# KiCad board AMC_FMC_Carrier-PcbDoc.kicad_pcb (continued)
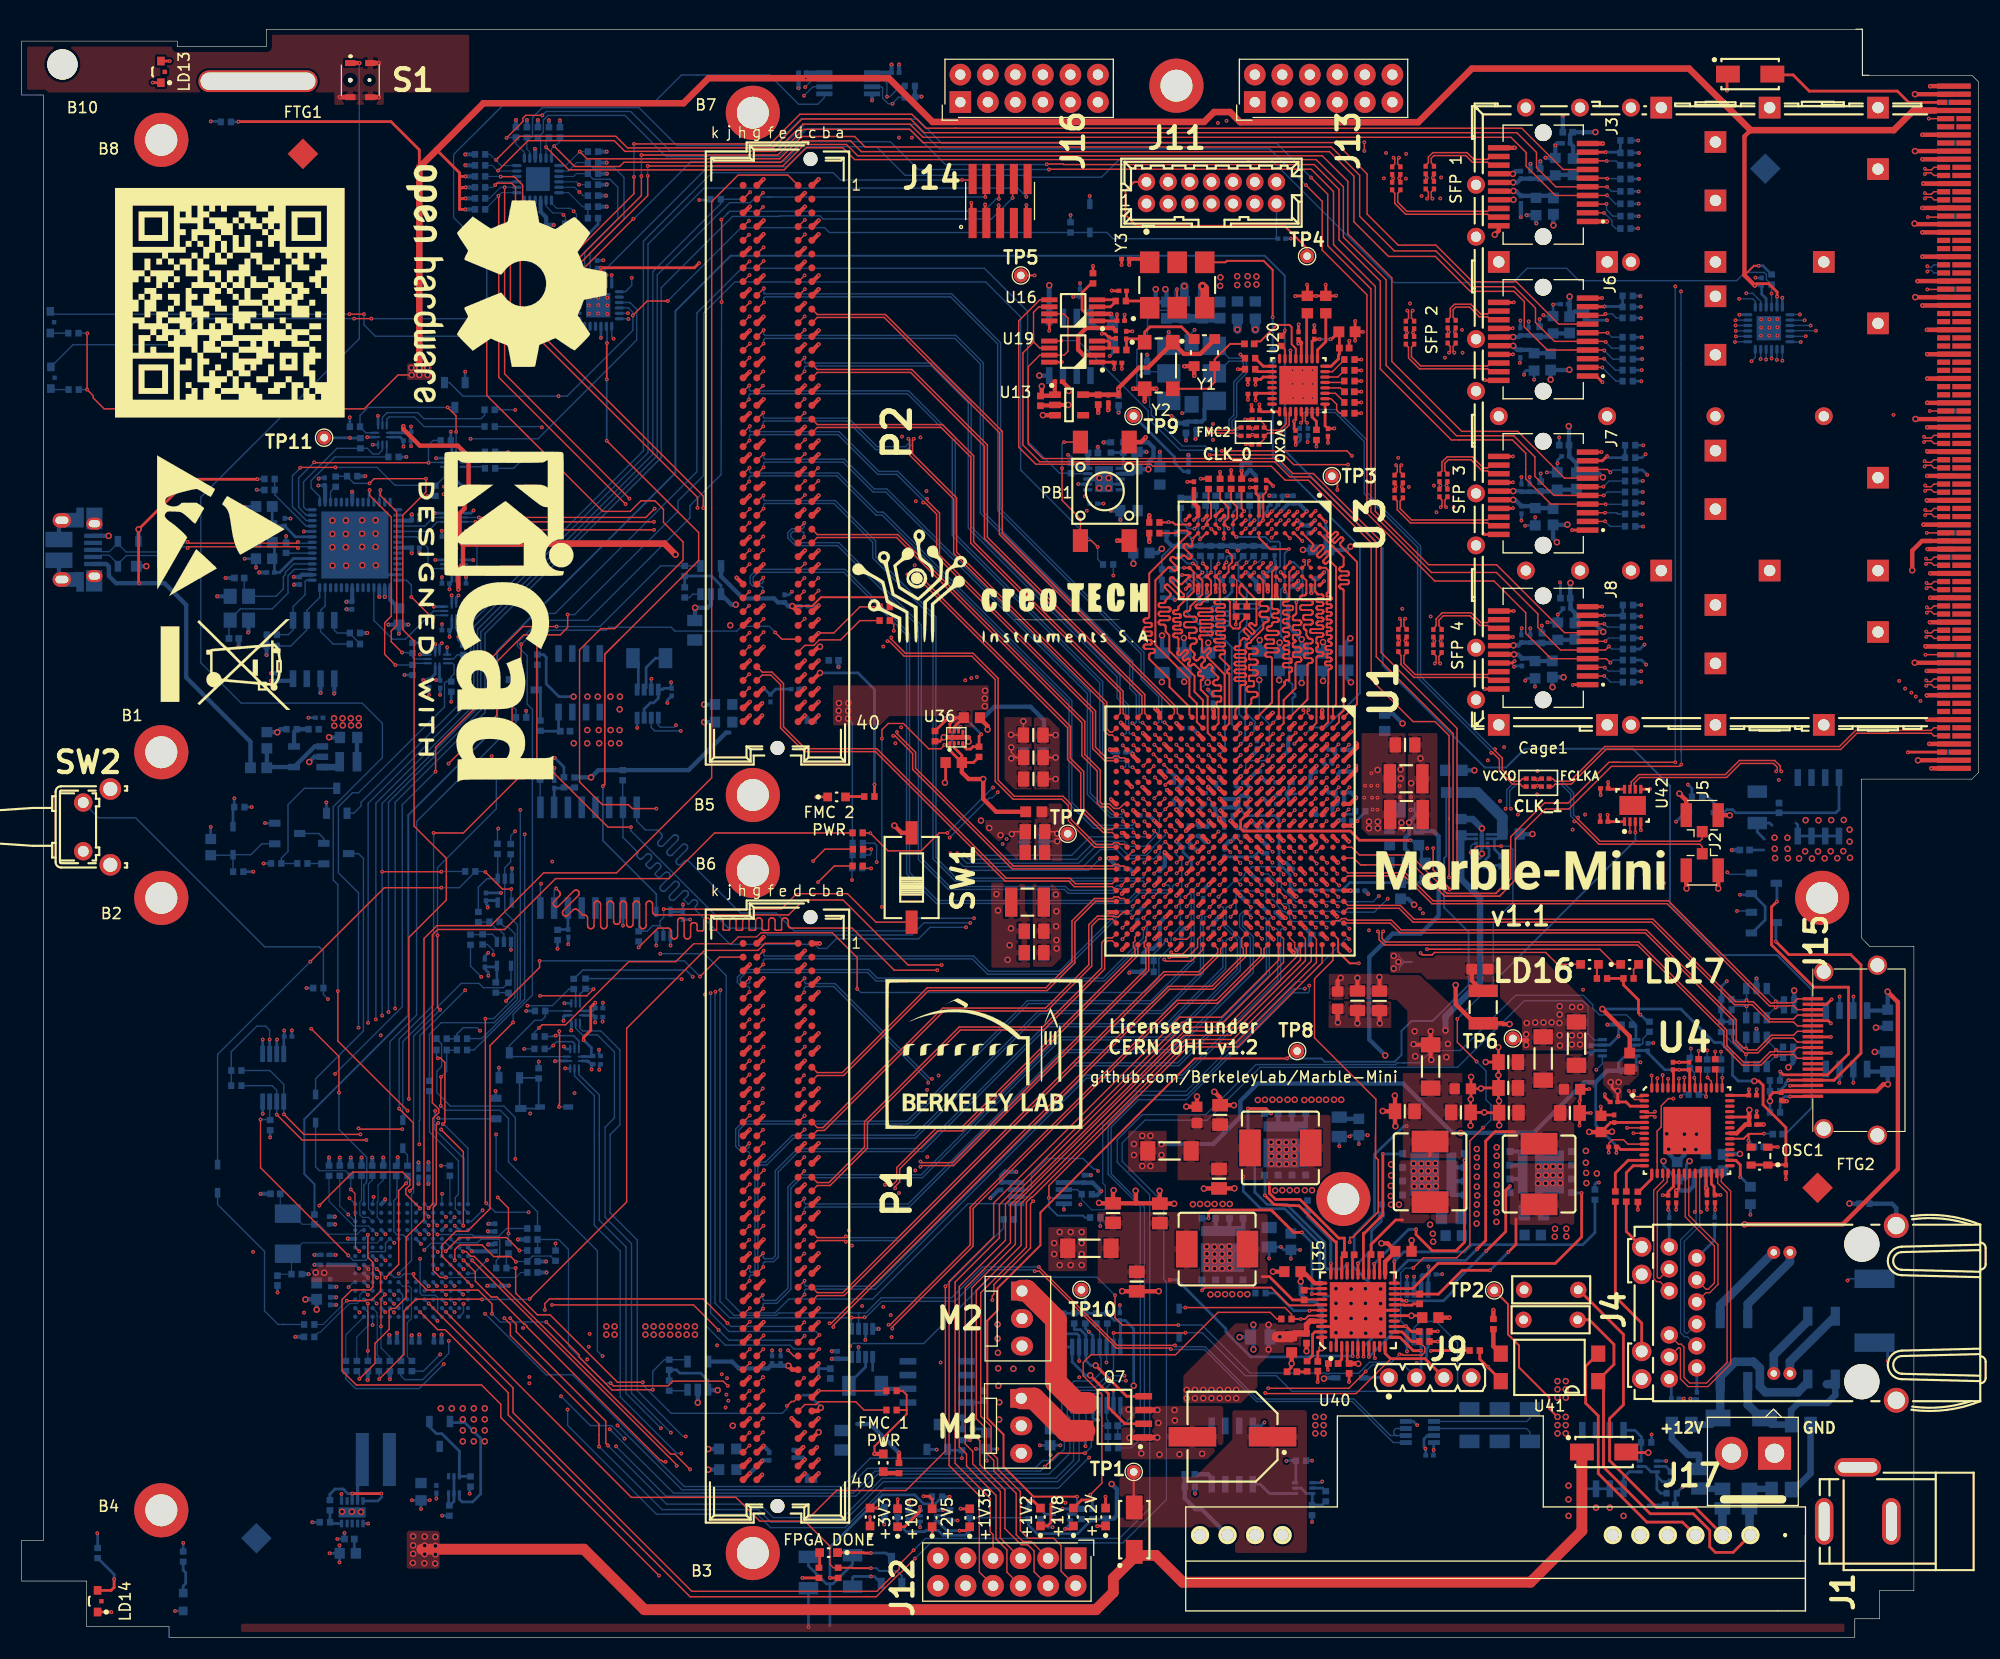
[diagram p0: board, top side]
## Routing (per net, layer and track width the routed paths; a pad name or vN(x,y) marks a point on that pad's centre or on a via; arc(x,y) is an arc through that point) (continued)
VCCAUX: length 11.5
  Top w0.127: C235.1 95.4,74.4 v2(95.58,74.22) 95.59,74.21 TP7.1 96.04,74.21
  Top w0.381: U1.H12 v1(115.44,73.56) ; v1(113.5,73.56) 113.44,73.56 U1.K12 ; U1.M12 v1(110.58,73.51) ; v1(109.55,73.47) 109.52,73.47 U1.P12 ; U1.R11 108.03,74.98
  Top w0.4: v1(107.46,74.48) 107.95,74.96 U1.R11
  Bottom w0.178: v2(95.58,73.52) 95.58,73.52 C233.1
  Bottom w0.381: v1(110.58,73.51) 111,73.93 C231.1 ; v1(113.5,73.56) 113.08,73.98 C226.1 ; C223.1 115.01,73.98 v1(115.44,73.56) ; v1(109.55,73.47) 109.52,73.44 109.29,73.44
  Bottom w0.4: 107.74,74.75 107.59,74.6 ; 107.74,74.75 v1(107.46,74.48) ; 107.74,74.75 C229.1 ; 109.29,73.44 109.25,73.44 108.69,74 C227.1
VCCBRAM: length 11.3
  Top w0.381: U1.J11 114.03,74.99 v1(114.45,75.41) ; v1(109.56,75.41) 110.01,74.96 U1.N11 ; v1(111.58,75.4) 111.59,75.4 U1.L11
  Top w0.4: C2.1 134.8,59.7 133.84,60.66 L33.2
  Bottom w0.127: 127.13,63.09 127.13,62.89 127.64,62.37 ; 127.64,62.37 127.18,61.9 127.18,61.61 ; 127.64,62.37 128.35,62.37 v2(127.08,62.37)
  Bottom w0.381: C216.1 109.56,75.01 v1(109.56,75.41) ; C218.1 114.95,74.91 v1(114.45,75.41)
  Bottom w0.4: C3.1 111.8,75.62 v1(111.58,75.4) 112.22,74.76 C220.1
  vias: v2(126.64,62.93) v2(126.64,61.76)
/ALERT: length 162.3
  Top w0.127: v1(98.14,17) 95.68,17 v1(94.44,15.76)
  In2.Cu w0.127: v1(55.96,122.28) 55.49,121.81 55.49,107.9 48.31,100.72 48.31,51.17 51.18,48.3 51.18,22.31 v1(54.28,19.21)
  Bottom w0.127: 62.94,13.32 60.17,13.32 v1(54.28,19.21) ; 62.94,13.32 76.73,13.32 78.76,15.35 94.03,15.35 v1(94.44,15.76) ; 62.94,13.32 62.85,13.32 ; U27.14 98.23,19.57 R172.2 98.19,19.51 98.73,18.97 98.73,17.59 v1(98.14,17) ; U39.5 55.95,122.27 v1(55.96,122.28)
/AMC_connector/AMC_En: length 199.8
  Top w0.127: v1(65.18,23.23) 64.74,23.66 60.1,23.66 59.66,23.23 57.5,23.23 57.49,23.22 54.62,23.22 v1(54.36,23.48) ; v1(176.12,113.25) 177.59,113.25 P3.41
  In2.Cu w0.127: v1(174.83,86.88) 174.83,88.02 174.26,88.59 174.26,96.88 174.98,97.6 174.98,98.75 174.53,99.2 174.52,99.2 174.42,99.3 174.42,112.2 174.34,112.29 174.34,112.86 174.73,113.25 v1(176.12,113.25)
  In5.Cu w0.127: v1(174.83,86.88) 174.52,86.58 162,86.58 160.12,84.7 160.12,81.57 132.31,53.76 132.31,53.2 130.76,51.65 103.58,51.65 86.73,34.8 86.73,31.98 78.26,23.51 65.45,23.51 v1(65.18,23.23)
  Bottom w0.102: R155.1 R145.2
  Bottom w0.127: R145.2 49.55,36.74 50.47,35.83 50.47,26.89 53.88,23.48 v1(54.36,23.48)
/AMC_connector/AMC_GA0: length 227.3
  Top w0.127: v1(176.02,140.25) 176.02,140.25 P3.5
  In2.Cu w0.127: v1(176.02,140.25) 176.02,132.07 175.6,131.65 175.6,130.43 176.35,129.68 176.35,125.44 176.15,125.24 175.56,125.24 174.31,123.98 174.31,123.39 174.5,123.2 174.5,115.02 173.34,113.87 173.32,113.87 173.32,88.6 173.29,88.58 v1(173.29,88.33) ; v1(64.18,26.96) 64.18,25.95 63.58,25.34 55.06,25.34 53.75,26.66 53.09,26.66 52.42,27.32 v1(52.42,28.03)
  In5.Cu w0.127: v1(64.18,26.96) 64.54,27.32 76.86,27.32 102.56,53.01 128.77,53.01 131.34,55.58 131.62,55.58 158.16,82.12 158.16,85.52 160.96,88.33 v1(173.29,88.33) ; v1(39.42,27.38) 40.07,28.03 v1(52.42,28.03)
  Bottom w0.127: v1(39.42,27.38) 39.42,26.21 37.01,23.8 35.37,23.8 35,24.17 R148.1
/AMC_connector/AMC_GA1: length 218.4
  Top w0.127: v1(175.94,131.15) 177.49,131.15 P3.17
  In2.Cu w0.127: v1(173.84,87.62) 173.63,87.82 173.63,113.6 175.03,115 175.03,123.23 175.44,123.63 175.44,124.52 175.78,124.86 176.21,124.86 176.58,125.23 176.58,130.52 v1(175.94,131.15) ; v1(52.35,26.83) 52.35,26.15 54.2,24.29 v1(64.62,24.29)
  In5.Cu w0.127: 124.18,52.54 128.62,52.54 131.35,55.27 131.89,55.27 158.94,82.31 158.94,85.29 161.26,87.62 v1(173.84,87.62) ; 124.18,52.54 123.93,52.54 ; 124.18,52.54 102.9,52.54 85.63,35.27 85.63,32.25 85.46,32.07 85.4,32.07 78.27,24.95 72.58,24.95 71.91,25.62 69.7,25.62 69.03,24.95 65.27,24.95 v1(64.62,24.29) ; v1(52.35,26.83) 51.6,27.58 40.33,27.58 38.88,26.13 v1(38.63,26.13)
  Bottom w0.127: v1(38.63,26.13) 37.09,24.59 R149.1
/AMC_connector/AMC_GA2: length 219.4
  Top w0.127: v1(175.89,124.47) 177.56,124.47 P3.26
  In2.Cu w0.127: v1(65.1,23.94) 53.92,23.94 v1(52.2,25.67) ; v1(174.42,87.24) 174.42,87.77 173.94,88.25 173.94,113.42 175.39,114.87 175.39,122.06 175.89,122.57 v1(175.89,124.47)
  In5.Cu w0.127: v1(65.1,23.94) 65.57,24.41 66.8,24.41 ; v1(38.95,25.23) 40.76,27.04 50.82,27.04 v1(52.2,25.67) ; 66.8,24.41 78.52,24.41 86.32,32.2 86.32,35.25 103.17,52.11 130.71,52.11 132.05,53.45 132.05,54.01 159.46,81.42 159.46,84.92 161.54,87.01 174.19,87.01 v1(174.42,87.24) ; 66.8,24.41 66.28,24.41
  Bottom w0.127: R150.1 29.92,23.86 30.81,22.97 36.7,22.97 v1(38.95,25.23)
/AMC_connector/FCLKA_N: length 38.6
  Top w0.13: C294.1 141.31,78.56 141.55,78.8 143.03,78.8 146.23,82 167.9,82 169.39,83.49 176.26,83.49 176.5,83.25 P3.81
/AMC_connector/FCLKA_P: length 38.6
  Top w0.13: P3.80 176.5,84 176.26,83.76 169.28,83.76 167.79,82.27 146.12,82.27 142.92,79.07 141.55,79.07 141.31,79.3 C292.1
/AMC_connector/I2C_IPMB_SCL: length 214.1
  Top w0.127: P3.56 177.58,101.99 v1(175.84,101.99)
  In2.Cu w0.127: v1(175.84,101.99) 175.51,101.99 174.78,101.26 174.78,99.27 175.21,98.84 175.21,97.5 175.21,97.32 174.75,96.86 174.75,90.79 175.19,90.35 175.19,89.16 175.26,89.09 v1(175.26,86.47) ; v1(65.05,22.42) 64.87,22.24 63.67,22.24 63.21,22.71 58.63,22.71 54.75,18.82 52.08,18.82 v1(46.86,24.04)
  In5.Cu w0.127: v1(46.86,24.04) 39.31,24.04 35.63,27.73 35.63,29.29 34.48,30.43 33.44,30.43 33.13,30.74 33.13,32.33 32.37,33.09 32.37,35.81 33.21,36.65 33.21,37.32 31.48,39.05 v1(30.15,39.05) ; v1(175.26,86.47) 174.78,85.99 162.46,85.99 160.53,84.06 160.53,81.35 132.59,53.41 132.59,53 130.91,51.32 103.94,51.32 93.26,40.64 93.2,40.64 93.02,40.47 93.02,40.4 87.13,34.52 87.13,31.85 77.7,22.42 v1(65.05,22.42)
  Bottom w0.102: R133.2 29.36,39.83 U2.M1
  Bottom w0.127: U2.M1 30.79,38.39
/AMC_connector/I2C_IPMB_SDA: length 203.7
  Top w0.127: v1(175.72,90.74) 175.72,90.75 P3.71
  In2.Cu w0.127: v1(46.86,23.46) 51.89,18.43 55.07,18.43 58.78,22.14 63.28,22.14 63.56,21.86 v1(65.23,21.86)
  In5.Cu w0.127: v1(175.72,90.74) 176.28,90.18 176.28,86.52 175.32,85.57 163.18,85.57 160.89,83.28 160.89,81.02 155.73,75.86 155.7,75.86 132.87,53.02 132.87,52.72 131.09,50.94 104.22,50.94 94.04,40.76 94.04,40.44 93.25,39.65 92.93,39.65 87.58,34.31 87.58,31.39 78.05,21.86 v1(65.23,21.86) ; v1(46.86,23.46) 39.31,23.46 35.04,27.72 35.04,28.17 35.01,28.2 35.01,28.28 33.62,29.67 32.57,29.67 31.06,31.18 31.06,33.43 31.62,33.99 31.62,36.08 v1(32.77,37.22)
  Bottom w0.102: R134.2 28.37,40.26 30.65,37.98 32.01,37.98 U2.L3
  Bottom w0.127: v1(32.77,37.22) 32.39,37.6 U2.L3
/AMC_connector/PS0#: length 72.8
  Top w0.254: v1(157.4,142.84) 157.4,144.28 D1.1 ; P3.83 174.11,81.75 v1(174.09,81.72)
  In2.Cu w0.254: v1(174.09,81.72) 172.77,83.04 v1(172.77,112.89)
  In5.Cu w0.254: v1(157.4,142.84) 172.77,127.47 v1(172.77,112.89)
/AMC_connector/PS1#: length 16.7
  Top w0.254: D1.2 161.66,144.28 163.5,144.28 165,142.79 173.13,142.79 174.16,141.75 P3.3
/AMC_connector/Rx0_N: length 108.8
  Top w0.13: U4.2 149.64,49.66 148.86,49.66 148.45,50.07 148.45,50.35 v1(148.34,50.46) ; v1(175.67,132.88) 175.78,132.99 176.26,132.99 176.5,132.75 P3.15
  In2.Cu w0.102: v1(175.67,132.88) 175.54,133.01 173.8,133.01 169.13,128.34 169.13,110.02 167.75,108.65 167.75,97.48 161,90.72 161,53.86 158.99,51.86 158.99,50.51 155.65,47.17 149.89,47.17 148.47,48.58 148.47,50.33 v1(148.34,50.46)
/AMC_connector/Rx0_P: length 108
  Top w0.13: v1(175.67,133.37) 175.78,133.26 176.26,133.26 176.5,133.5 P3.14 ; v1(148.83,50.46) 148.72,50.35 148.72,50.18 148.97,49.93 149.64,49.93 U4.1
  In2.Cu w0.102: v1(148.83,50.46) 148.7,50.33 148.7,48.68 149.98,47.4 155.55,47.4 158.76,50.61 158.76,51.95 160.77,53.96 160.77,90.81 167.52,97.57 167.52,108.75 168.9,110.12 168.9,128.43 173.7,133.24 175.54,133.24 v1(175.67,133.37)
/AMC_connector/Rx18_N: length 70.4
  Top w0.13: v1(162.42,79.97) 162.31,80.08 162.31,80.46 161.8,80.97 158.54,80.97 157.25,79.67 149.24,79.67 148.56,78.99 148.56,78.69 148.44,78.57 U42.7
  In2.Cu w0.102: v1(175.89,126.13) 175.76,126.26 174.79,126.26 173.57,125.03 173.57,118.3 170.45,115.18 170.45,109.39 169.18,108.12 169.18,95.67 162.93,89.42 162.93,82.54 162.29,81.91 162.29,80.1 v1(162.42,79.97)
  Bottom w0.13: P3.147 176.5,126 176.26,126.24 176,126.24 v1(175.89,126.13)
/AMC_connector/Rx18_P: length 69.8
  Top w0.13: v1(161.94,79.97) 162.04,80.08 162.04,80.35 161.69,80.7 158.65,80.7 157.36,79.4 149.36,79.4 148.83,78.87 148.83,78.69 148.94,78.57 U42.6
  In2.Cu w0.102: v1(161.94,79.97) 162.06,80.1 162.06,82 162.7,82.64 162.7,89.52 168.95,95.77 168.95,108.21 170.22,109.48 170.22,115.27 173.34,118.4 173.34,125.13 174.7,126.49 175.76,126.49 v1(175.89,126.62)
  Bottom w0.13: v1(175.89,126.62) 176,126.51 176.26,126.51 176.5,126.75 P3.148
/AMC_connector/TCLKA_N: length 88.3
  Top w0.13: U1.J21 114.04,64.96 v1(114.5,64.5) ; v1(175.79,87.88) 175.9,87.99 176.26,87.99 176.5,87.75 P3.75
  In5.Cu w0.102: v1(114.5,64.5) 114.5,64.75 114.62,64.87 114.91,64.87 114.95,64.84 114.95,61.03 117.05,58.93 126.51,58.93 135.6,68.01 135.6,78.25 139.16,81.81 150.54,81.81 155.09,86.36 156.64,86.36 160.07,89.79 173.41,89.79 175.19,88.01 175.66,88.01 v1(175.79,87.88)
/AMC_connector/TCLKA_P: length 88.3
  Top w0.127: 114.5,65.49 v1(114.5,65.47)
  Top w0.13: U1.J20 114.03,65.93 v1(114.5,65.47) ; v1(175.79,88.37) 175.9,88.26 176.26,88.26 176.5,88.5 P3.74
  In5.Cu w0.102: v1(114.5,65.47) 114.5,65.2 114.59,65.1 115.01,65.1 115.18,64.93 115.18,61.12 117.14,59.16 126.42,59.16 135.37,68.11 135.37,78.34 139.07,82.04 150.45,82.04 154.99,86.59 156.54,86.59 159.97,90.02 173.5,90.02 175.28,88.24 175.66,88.24 v1(175.79,88.37)
/EN_CON_JTAG: length 161.6
  Top w0.127: v1(49.62,55.97) 49.62,55.72 49.65,55.69 49.65,49.27 49.61,49.23 v1(49.61,48.98) ; v1(59.63,123.41) 57.74,123.41 v1(56.4,122.07)
  In5.Cu w0.127: v1(49.55,114.62) 48.69,113.75 48.69,80.48 43.64,75.42 43.64,68.74 49.62,62.77 v1(49.62,55.97)
  Bottom w0.127: D14.1 50.44,48.98 v1(49.61,48.98) ; J11.13 115.82,129.3 C193.1 100.74,129.16 100.16,129.74 D15.1 98.58,129.73 R166.2 74.55,129.73 74.1,130.17 66.39,130.17 v1(59.63,123.41) ; Q6.1 39.48,115.87 40.73,114.62 v1(49.55,114.62) 50.34,114.62 56.41,120.69 56.41,122.36 56.01,122.77 U39.4
/EN_USB_JTAG: length 108.3
  Top w0.127: v1(35.74,49.72) 35.74,64.63 39.19,68.08 39.19,71.95 36.22,74.92 36.22,92.01 35.18,93.05 35.18,103.63 37.31,105.76 v1(37.31,107) 32.54,107 v1(32.1,106.57)
  In2.Cu w0.127: v1(38.46,47.95) 37.51,47.95 v1(35.74,49.72)
  In5.Cu w0.127: v1(37.31,107) 37.74,107 v1(41.43,110.68)
  Bottom w0.127: R200.1 29.02,107.23 R127.1 30.03,107.21 30.67,106.57 v1(32.1,106.57) ; U39.3 56.15,123.27 56.77,122.64 56.77,119.8 47.65,110.68 v1(41.43,110.68) ; v1(38.46,47.95) 38.53,47.88 Q5.1
/ESDSTRIP1: length 11.1
  Bottom w0.254: R243.2 76.69,6.75 74.88,4.94 74.6,4.94 ; 74.6,4.94 74.28,4.94 72.62,6.6 R244.1 ; 74.6,4.94 74.6,1.05
/ESDSTRIP2: length 3.6
  Bottom w0.254: R244.2 v1(72.62,0.95)
/ETH_PHY/CLK_25MHZ: length 271.6
  Top w0.178: v1(116.59,120.69) 116.59,120.52 R95.2
  Bottom w0.178: 162.83,46.51 165.23,48.91 165.23,59.8 162.03,63 156.92,63 152.15,67.78 152.15,78.63 148.72,82.05 138.73,82.05 137.01,80.33 135.05,80.33 125.63,89.75 125.63,100.56 116.59,109.6 116.59,125.74 114.74,127.58 65.44,127.58 60.34,122.48 60.34,107.53 43.89,91.08 43.89,84.15 35.69,75.95 35.69,57.44 26.08,47.84 26.08,42.79 27.02,41.85 C102.2
/ETH_PHY/MDI0_N: length 27.5
  Top w0.112: J4.10 152.92,27.08 153.17,27.08 153.43,26.81 153.43,24.01 153.96,23.49 155.5,23.49 157.41,25.39 157.41,41.07 156.54,41.93 156.54,42.77 U4.27
/ETH_PHY/MDI0_P: length 28
  Top w0.112: J4.11 152.92,26.75 153.03,26.75 153.1,26.67 153.1,23.87 153.82,23.15 155.64,23.15 157.74,25.26 157.74,41.21 156.88,42.07 156.88,42.77 U4.28
/ETH_PHY/MDI1_N: length 17.4
  Top w0.112: v1(154.42,39.28) 154.54,39.39 154.54,42.77 U4.23
  Bottom w0.112: v1(154.42,39.28) 154.54,39.16 154.54,38.13 153.12,36.7 153.12,28.13 153.48,27.76 153.76,27.76 J4.5
/ETH_PHY/MDI1_P: length 16.9
  Top w0.112: v1(154.99,39.28) 154.88,39.39 154.88,42.77 U4.24
  Bottom w0.112: v1(154.99,39.28) 154.88,39.16 154.88,37.99 153.45,36.57 153.45,28.26 153.62,28.09 153.76,28.09 J4.4
/ETH_PHY/MDI2_N: length 13.5
  Top w0.112: J4.2 155.46,32.16 155.67,32.16 156.24,32.73 156.24,36.13 153.54,38.83 153.54,42.77 U4.21
/ETH_PHY/MDI2_P: length 14
  Top w0.112: U4.22 153.88,42.77 153.88,38.96 156.57,36.27 156.57,32.59 155.81,31.82 155.46,31.82 J4.3
/ETH_PHY/MDI3_N: length 12
  Top w0.112: U4.17 151.54,42.77 151.54,42.2 150.63,41.29 150.63,33.13 150.92,32.84 151.22,32.84 J4.9
/ETH_PHY/MDI3_P: length 11.5
  Top w0.112: J4.8 151.22,33.17 151.06,33.17 150.96,33.27 150.96,41.15 151.88,42.06 151.88,42.77 U4.18
/ETH_PHY/MII_MDC: length 172.6
  Top w0.127: v1(36.78,30.04) 38.4,28.41 39.09,28.41 44.91,22.59 44.91,20.54 61.7,3.75 78.87,3.75 81.03,5.91 81.08,5.91 v1(82.45,7.28)
  Bottom w0.127: v1(36.78,30.04) 36.41,30.41 U2.B8 ; 126.39,52.64 114.3,52.64 109.42,47.76 103.68,47.76 101.57,45.66 101.57,43.95 105.41,40.12 105.41,33.06 105.66,32.81 105.66,12.74 101.65,8.72 83.84,8.72 83.84,8.67 v1(82.45,7.28) ; 126.39,52.64 126.49,52.64 ; 126.39,52.64 132.54,52.64 138.68,58.79 144.09,58.79 144.58,58.31 144.58,55.74 145.16,55.16 145.78,55.16
/ETH_PHY/MII_MDIO: length 174.8
  Top w0.127: v1(82.32,8.04) 81,6.72 81,6.31 78.94,4.25 61.85,4.25 45.35,20.75 45.35,23.04 v1(37.57,30.82)
  Bottom w0.127: U2.C9 37.19,31.2 v1(37.57,30.82) ; 127.48,53.05 129.01,53.05 130.15,54.19 132.79,54.19 137.89,59.29 144.13,59.29 145.01,58.41 145.01,58.1 145.63,57.48 148.12,57.48 148.99,56.61 148.99,56.43 ; 127.48,53.05 127.61,53.05 ; 127.48,53.05 126.98,53.05 126.83,52.89 113.92,52.89 109.3,48.27 103.43,48.27 101.12,45.96 101.12,43.88 104.11,40.88 104.11,11.92 101.32,9.13 83.42,9.13 v1(82.32,8.04)
  Bottom w0.254: R62.1 148.88,56.58 149,56.46 149,56.43 ; 149,55.21 149,56.43 ; 149,56.43 148.99,56.43
/ETH_PHY/PHY_RSTn: length 67.7
  Top w0.112: v1(110.46,68.39) 110.46,68.39 U1.M17
  Top w0.127: v1(152.45,49.75) 152,49.75 151.33,49.09 151.33,47.13 150.95,46.75 150.95,43.9 150.96,43.9 U4.16
  In2.Cu w0.127: v1(125.27,68.47) 125.48,68.67 129.82,68.67 132.08,66.41 137.77,66.41 138.68,65.49 145.92,65.49 152.45,58.97 152.45,52.18 152.45,52.18 v1(152.45,49.75)
  Bottom w0.127: 123.16,67.93 124.74,67.93 v1(125.27,68.47) ; 123.16,67.93 117.6,67.93 116.26,69.27 116.26,70.11 116.13,70.24 116.13,70.75 115.72,71.16 113.53,71.16 112.86,70.49 112.86,70.32 112.44,69.9 111.97,69.9 v1(110.46,68.39) ; 123.16,67.93 123.37,67.93
/ETH_PHY/POE_VC1: length 8.2
  Bottom w0.8: J4.13 161.67,35.55 157.71,31.58 157.68,31.58 156.78,30.68 D6.1
/ETH_PHY/POE_VC2: length 6.6
  Bottom w0.8: D7.1 164.86,29.2 161.72,26.06 J4.14
/ETH_PHY/POE_VC3: length 7.7
  Bottom w0.8: D6.2 159.32,30.78 163.21,34.67 J4.15
/ETH_PHY/POE_VC4: length 7
  Bottom w0.8: D7.2 163.21,25.46 J4.16
/ETH_PHY/RGMII_RX_CLK: length 61.1
  Top w0.112: v1(111.58,66.53) 112.01,66.96 U1.L19
  In2.Cu w0.127: v1(153.14,49.95) 153.14,49.87 152.45,49.19 151.76,49.19 149.86,51.09 149.86,55.36 144.83,60.39 138.61,60.39 136.63,62.37 131.83,62.37 131.76,62.38 131.7,62.4 131.64,62.43 131.59,62.48 131.56,62.54 131.54,62.6 131.53,62.67 131.53,62.96 131.52,63.03 131.5,63.09 131.46,63.15 131.42,63.2 131.36,63.23 131.29,63.25 131.23,63.26 131.16,63.25 131.1,63.23 131.04,63.2 130.99,63.15 130.96,63.09 130.94,63.03 130.93,62.96 130.93,62.07 130.92,62.01 130.9,61.94 130.86,61.89 130.82,61.84 130.76,61.81 130.7,61.78 130.63,61.78 130.62,61.78 130.56,61.78 130.5,61.81 130.44,61.84 130.39,61.89 130.36,61.94 130.34,62.01 130.33,62.07 130.33,62.96 130.32,63.03 130.3,63.09 130.26,63.15 130.22,63.2 130.16,63.23 130.09,63.25 130.03,63.26 129.96,63.25 129.9,63.23 129.84,63.2 129.79,63.15 129.76,63.09 129.74,63.03 129.73,62.96 129.73,62.37 129.72,62.37 129.72,62.07 129.72,62.01 129.7,61.94 129.66,61.89 129.61,61.84 129.56,61.81 129.49,61.78 129.43,61.78 129.42,61.78 129.35,61.78 129.29,61.81 129.24,61.84 129.19,61.89 129.15,61.94 129.13,62.01 129.12,62.14 129.1,62.2 129.06,62.26 129.01,62.3 128.96,62.34 128.89,62.36 128.83,62.37 128.62,62.37 127.05,63.94 124.05,63.94 v1(122.55,65.44)
  Bottom w0.127: 153.86,50.13 153.31,50.13 v1(153.14,49.95) ; v1(122.55,65.44) 121.89,66.1 117.3,66.1 117.03,66.37 117.03,66.6 116.62,67.01 116.45,67.01 115.9,67.55 115.9,67.7 115.47,68.14 115.04,68.14 114.84,68.33 114.84,68.74 114.65,68.93 112.25,68.93 112.08,68.76 112.08,67.04 v1(111.58,66.53)
/ETH_PHY/RGMII_RX_DV: length 61.8
  Top w0.127: U1.H15 115.11,70.96 v1(115.57,70.5)
  In2.Cu w0.127: v1(115.57,70.5) 115.06,70.5 114.68,70.88 113.61,70.88 113.05,71.44 113.05,72.63 113.6,73.17 120.28,73.17 120.31,73.14 122.78,73.14 122.91,73.27 132.22,73.27 135.09,70.4 147.55,70.4 156.97,60.97
  In2.Cu w0.13: 156.97,60.97 156.97,54.67 156.84,54.55 v1(156.84,54.09)
  Bottom w0.13: R291.2 v1(156.84,54.09)
/ETH_PHY/RGMII_RXD0: length 68.6
  Top w0.112: U1.K13 v1(113.49,72.5)
  Top w0.13: R293.2 v1(156.31,54.09)
  In2.Cu w0.127: v1(113.49,72.5) 113.82,72.17 119.74,72.17 120.05,72.48 132.43,72.48 135.03,69.89 141.81,69.89 141.85,69.88 141.89,69.87 141.93,69.85 141.96,69.81 141.98,69.78 142,69.74 142.01,69.65 142.02,69.61 142.04,69.57 142.07,69.54 142.11,69.52 142.15,69.51 142.19,69.5 142.41,69.5 142.45,69.51 142.49,69.52 142.53,69.54 142.56,69.57 142.58,69.61 142.6,69.65 142.6,69.69 142.6,69.89 142.61,69.89 142.61,70.01 142.61,70.03 142.62,70.06 142.63,70.08 142.65,70.1 142.67,70.11 142.7,70.12 142.73,70.12 143.09,70.12 143.12,70.12 143.14,70.11 143.16,70.1 143.18,70.08 143.2,70.06 143.2,70.03 143.21,70.01 143.21,69.69 143.21,69.65 143.23,69.61 143.25,69.57 143.28,69.54 143.32,69.52 143.36,69.51 143.4,69.5 143.61,69.5 143.66,69.51 143.7,69.52 143.73,69.54 143.77,69.57 143.79,69.61 143.8,69.65 143.81,69.69 143.81,70.01 143.81,70.03 143.82,70.06 143.83,70.08 143.85,70.1 143.87,70.11 143.9,70.12 143.93,70.12 144.29,70.12 144.32,70.12 144.34,70.11 144.36,70.1 144.38,70.08 144.4,70.06 144.4,70.03 144.41,70.01 144.41,69.69 144.41,69.65 144.43,69.61 144.45,69.57 144.48,69.54 144.52,69.52 144.56,69.51 144.6,69.5 144.81,69.5 144.86,69.51 144.9,69.52 144.93,69.54 144.97,69.57 144.99,69.61 145,69.65 145.01,69.69 145.01,70.01 145.01,70.03 145.02,70.06 145.03,70.08 145.05,70.1 145.07,70.11 145.1,70.12 145.13,70.12 145.49,70.12 145.52,70.12 145.54,70.11 145.56,70.1 145.58,70.08 145.6,70.06 145.6,70.03 145.61,69.98 145.62,69.95 145.63,69.93 145.65,69.91 145.67,69.9 145.7,69.89 145.73,69.89 147.24,69.89 147.83,69.3 147.86,69.27 147.87,69.23 147.88,69.18 147.88,69.14 147.87,69.1 147.86,69.06 147.8,68.99 147.78,68.95 147.77,68.9 147.77,68.86 147.78,68.81 147.8,68.77 147.83,68.74 147.97,68.6 148,68.57 148.04,68.55 148.09,68.54 148.13,68.54 148.18,68.55 148.22,68.57 148.25,68.6 148.5,68.84 148.53,68.86 148.56,68.88 148.59,68.89 148.62,68.89 148.65,68.88 148.68,68.86 148.71,68.84 148.92,68.63 148.94,68.61 148.96,68.58 148.97,68.54 148.97,68.51 148.96,68.48 148.94,68.45 148.92,68.42 148.68,68.17 148.65,68.14 148.63,68.1 148.62,68.05 148.62,68.01 148.63,67.96 148.65,67.92 148.68,67.89 148.82,67.75 148.85,67.72 148.89,67.7 148.94,67.69 148.98,67.69 149.02,67.7 149.06,67.72 149.1,67.75 149.35,68 149.37,68.02 149.4,68.03 149.44,68.04 149.47,68.04 149.5,68.03 149.53,68.02 149.56,68 149.77,67.78 149.79,67.76 149.81,67.73 149.81,67.69 149.81,67.66 149.81,67.63 149.79,67.6 149.77,67.57 149.52,67.32 149.5,67.29 149.48,67.25 149.47,67.2 149.47,67.16 149.48,67.12 149.5,67.08 149.52,67.04 149.67,66.9 149.7,66.87 149.74,66.85 149.78,66.84 149.83,66.84 149.87,66.85 149.91,66.87 149.95,66.9 150.2,67.15 150.22,67.17 150.25,67.18 150.29,67.19 150.32,67.19 150.35,67.18 150.38,67.17 150.41,67.15 150.62,66.93 150.64,66.91 150.66,66.88 150.66,66.85 150.66,66.81 150.66,66.78 150.64,66.75 150.62,66.72 150.37,66.48 150.34,66.44 150.33,66.4 150.32,66.36 150.32,66.31 150.33,66.27 150.34,66.23 150.37,66.19 150.51,66.05 150.55,66.02 150.59,66 150.63,65.99 150.68,65.99 150.72,66 150.76,66.02 150.8,66.05 151.04,66.3 151.07,66.32 151.1,66.33 151.13,66.34 151.17,66.34 151.2,66.33 151.23,66.32 151.26,66.3 151.47,66.09 151.49,66.06 151.5,66.03 151.51,66 151.51,65.96 151.5,65.93 151.49,65.9 151.47,65.87 151.22,65.63 151.19,65.59 151.17,65.55 151.16,65.51 151.16,65.46 151.17,65.42 151.19,65.38 151.22,65.34 151.36,65.2 151.4,65.17 151.44,65.16 151.48,65.15 151.53,65.15 151.57,65.16 151.61,65.17 151.65,65.2 151.89,65.45 151.92,65.47 151.95,65.49 151.98,65.49 152.02,65.49 152.05,65.49 152.08,65.47 152.11,65.45 152.32,65.24 152.34,65.21 152.35,65.18 152.36,65.15 152.36,65.11 152.35,65.08 152.34,65.05 152.32,65.03 152.07,64.78 152.04,64.74 152.02,64.7 152.01,64.66 152.01,64.61 152.02,64.57 152.04,64.53 152.07,64.5 152.21,64.35 152.25,64.33 152.29,64.31 152.33,64.3 152.38,64.3 152.42,64.31 152.46,64.33 152.49,64.35 152.74,64.6 152.77,64.62 152.8,64.64 152.83,64.64 152.86,64.64 152.9,64.64 152.93,64.62 152.95,64.6 153.17,64.39 153.19,64.36 153.2,64.33 153.21,64.3 153.21,64.27 153.2,64.23 153.19,64.2 153.17,64.18 152.92,63.93 152.89,63.89 152.87,63.85 152.86,63.81 152.86,63.77 152.87,63.72 152.89,63.68 152.92,63.65 153.06,63.51 153.09,63.48 153.14,63.46 153.18,63.45 153.22,63.45 153.27,63.46 153.31,63.48 153.34,63.51 153.59,63.75 153.62,63.77 153.65,63.79 153.68,63.8 153.71,63.8 153.75,63.79 153.78,63.77 153.8,63.75 154.01,63.54 154.04,63.51 154.05,63.48 154.06,63.45 154.06,63.42 154.05,63.39 154.04,63.35 154.01,63.33 153.77,63.08 153.74,63.05 153.72,63.01 153.71,62.96 153.71,62.92 153.72,62.87 153.74,62.83 153.77,62.8 153.91,62.66 153.94,62.63 153.98,62.61 154.03,62.6 154.07,62.6 154.12,62.61 154.16,62.63 154.19,62.66 154.44,62.9 154.46,62.93 154.5,62.94 154.53,62.95 154.56,62.95 154.59,62.94 154.62,62.93 154.65,62.9 154.86,62.69 154.88,62.67 154.9,62.64 154.91,62.6 154.91,62.57 154.9,62.54 154.88,62.51 154.86,62.48 154.62,62.23 154.59,62.2 154.57,62.16 154.56,62.11 154.56,62.07 154.57,62.03 154.59,61.98 154.62,61.95 154.76,61.81 154.79,61.78 154.83,61.76 154.88,61.75 154.92,61.75 154.96,61.76 155,61.78 155.04,61.81 155.29,62.06 155.31,62.08 155.34,62.09 155.38,62.1 155.41,62.1 155.44,62.09 155.47,62.08 155.5,62.06 155.71,61.84 155.73,61.82 155.75,61.79 155.75,61.75 155.75,61.72 155.75,61.69 155.73,61.66 155.69,61.61 155.68,61.57 155.67,61.54 155.67,61.51 155.68,61.48 155.69,61.45 155.71,61.42 156.44,60.69
  In2.Cu w0.13: v1(156.31,54.09) 156.31,54.47 156.44,54.6 156.44,60.69
/ETH_PHY/RGMII_RXD1: length 62.4
  Top w0.112: U1.H14 115.03,71.95 v1(115.44,71.54)
  In2.Cu w0.127: 123.21,71.95 119.94,71.95 119.93,71.93 118.82,71.93 ; 123.21,71.95 132.61,71.95 135.34,69.25 135.41,69.25 135.36,69.25 135.4,69.25 135.44,69.23 135.48,69.21 135.51,69.18 135.53,69.14 135.55,69.1 135.56,69.01 135.57,68.97 135.6,68.93 135.63,68.9 135.67,68.88 135.71,68.86 135.75,68.86 135.96,68.86 136,68.86 136.04,68.88 136.08,68.9 136.11,68.93 136.13,68.97 136.15,69.01 136.15,69.05 136.15,69.25 136.16,69.25 136.16,69.45 136.16,69.5 136.18,69.54 136.2,69.58 136.23,69.61 136.27,69.63 136.31,69.64 136.35,69.65 136.56,69.65 136.6,69.64 136.64,69.63 136.68,69.61 136.71,69.58 136.74,69.54 136.75,69.5 136.76,69.45 136.76,69.05 136.76,69.01 136.78,68.97 136.8,68.93 136.83,68.9 136.87,68.88 136.91,68.86 136.95,68.86 137.16,68.86 137.2,68.86 137.24,68.88 137.28,68.9 137.31,68.93 137.34,68.97 137.35,69.01 137.36,69.05 137.36,69.45 137.36,69.5 137.38,69.54 137.4,69.58 137.43,69.61 137.47,69.63 137.51,69.64 137.55,69.65 137.76,69.65 137.8,69.64 137.84,69.63 137.88,69.61 137.91,69.58 137.94,69.54 137.95,69.5 137.96,69.45 137.96,69.05 137.96,69.01 137.98,68.97 138,68.93 138.03,68.9 138.07,68.88 138.11,68.86 138.15,68.86 138.36,68.86 138.4,68.86 138.44,68.88 138.48,68.9 138.51,68.93 138.54,68.97 138.55,69.01 138.56,69.05 138.56,69.45 138.56,69.5 138.58,69.54 138.6,69.58 138.63,69.61 138.67,69.63 138.71,69.64 138.75,69.65 138.96,69.65 139,69.64 139.04,69.63 139.08,69.61 139.11,69.58 139.14,69.54 139.15,69.5 139.16,69.41 139.18,69.37 139.2,69.33 139.23,69.3 139.27,69.27 139.31,69.26 139.35,69.25 146.94,69.25 155.68,60.52 155.68,60.34 155.67,60.27 155.65,60.21 155.61,60.15 155.56,60.1 155.51,60.07 155.44,60.04 155.38,60.04 155.33,60.04 155.26,60.03 155.2,60.01 155.14,59.97 155.09,59.92 155.06,59.87 155.03,59.8 155.03,59.74 155.03,59.67 155.06,59.61 155.09,59.55 155.14,59.5 155.2,59.47 155.26,59.44 155.33,59.44 155.93,59.44 155.98,59.43 156.03,59.41 156.08,59.38 156.12,59.34 156.15,59.3 156.17,59.24 156.18,59.19 156.18,59.09 156.17,59.03 156.15,58.98 156.12,58.93 156.08,58.89 156.03,58.86 155.98,58.84 155.93,58.84 155.33,58.84 155.26,58.83 155.2,58.81 155.14,58.77 155.09,58.72 155.06,58.67 155.03,58.6 155.03,58.54 155.03,58.47 155.06,58.41 155.09,58.35 155.14,58.3 155.2,58.27 155.26,58.24 155.33,58.24 155.93,58.24 155.98,58.23 156.03,58.21 156.08,58.18 156.12,58.14 156.15,58.1 156.17,58.04 156.18,57.99 156.18,57.89 156.17,57.83 156.15,57.78 156.12,57.73 156.08,57.69 156.03,57.66 155.98,57.64 155.93,57.64 155.33,57.64 155.26,57.63 155.2,57.61 155.14,57.57 155.09,57.52 155.06,57.47 155.03,57.4 155.03,57.34 155.03,57.27 155.06,57.21 155.09,57.15 155.14,57.1 155.2,57.07 155.26,57.04 155.33,57.04 155.93,57.04 155.98,57.03 156.03,57.01 156.08,56.98 156.12,56.94 156.15,56.9 156.17,56.84 156.18,56.79 156.18,56.69 156.17,56.63 156.15,56.58 156.12,56.53 156.08,56.49 156.03,56.46 155.98,56.44 155.87,56.43 155.82,56.41 155.77,56.38 155.73,56.34 155.7,56.3 155.68,56.24 155.68,56.19 155.68,54.93 155.57,54.83 v1(155.57,54.19) ; 123.21,71.95 123.01,71.95 ; v1(115.44,71.54) 115.97,71.54 116.35,71.92 119.22,71.92